# Altium PCB PCB1.PcbDoc (part 1 of 2) (continued)
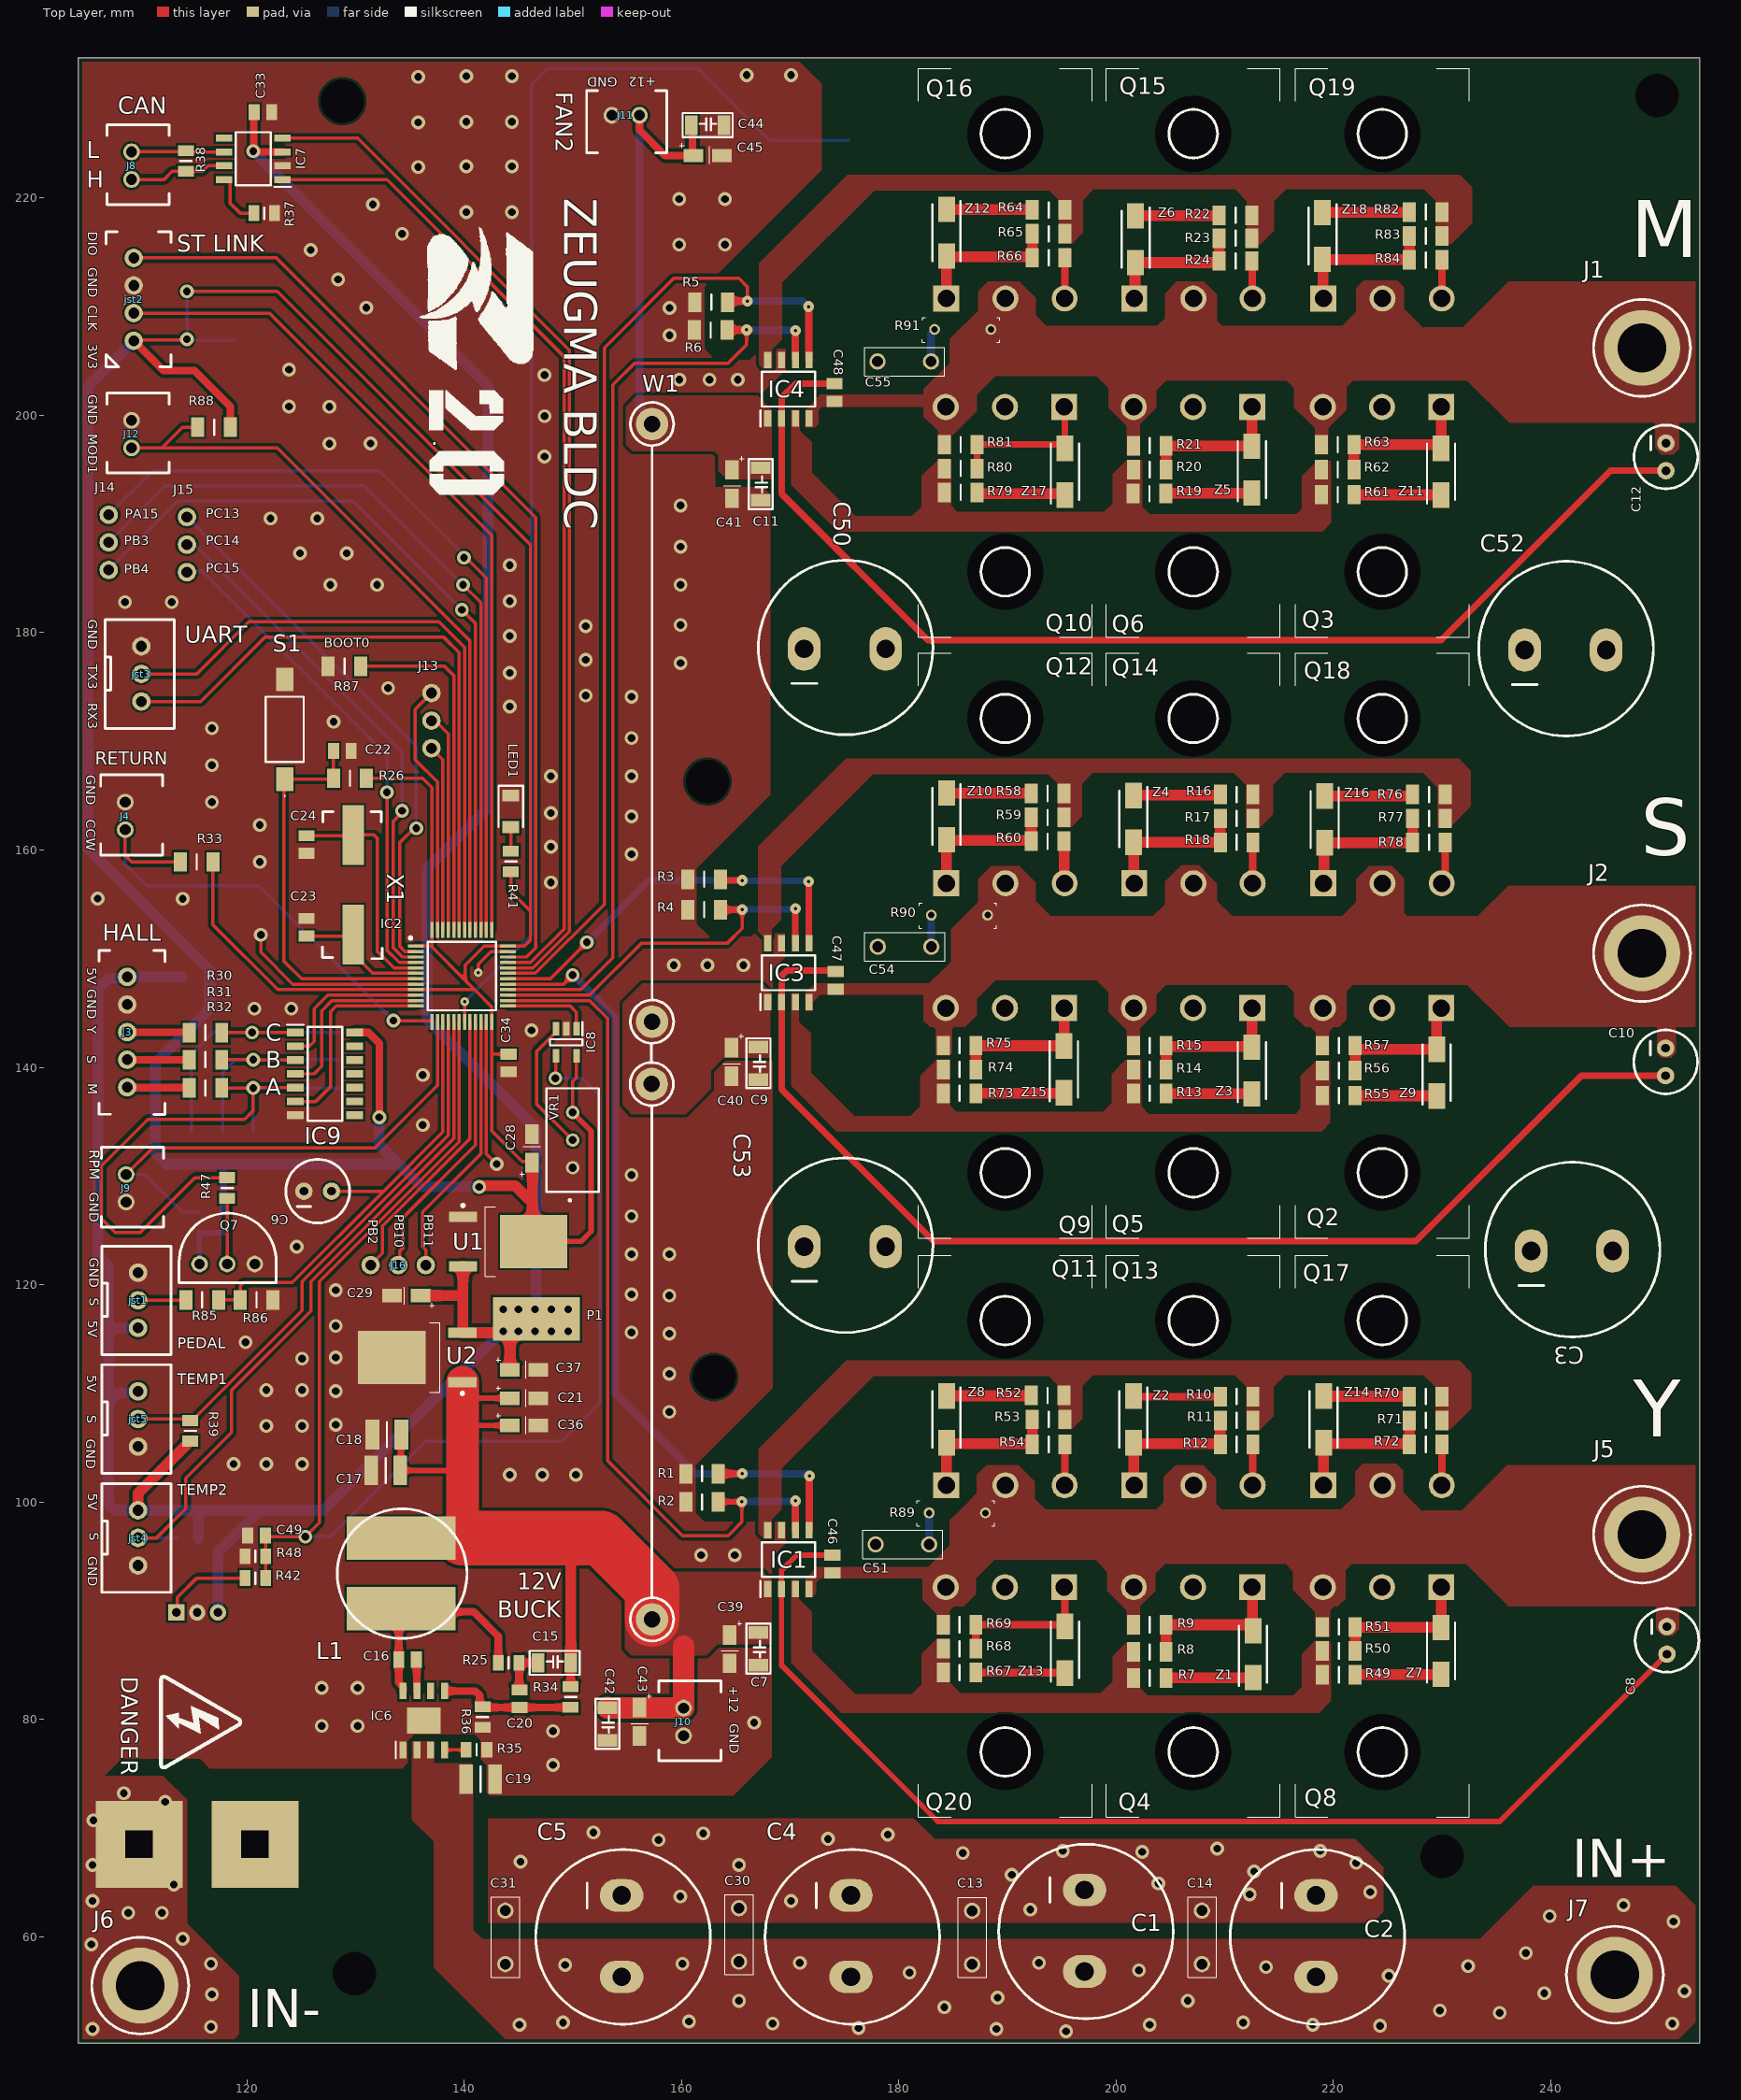
[diagram p0: Top Layer view]
## Components (designator, comment, footprint, x,y, rotation, side; value= is the part's Value field where it differs from the comment) (continued)
J11 "2 pin grove connector" "2 pin grove connector" 163.852,229.857 r180 top
J12 "2 pin grove connector" "2 pin grove connector" 107.143,207.252 r270 top
J13 "1x3 header" "1x3 header" 137,174.44 r270 top
J14 "1x3 header" "1x3 header" 107.3,185.76 r90 top
J15 "1x3 header" "1x3 header" 114.5,185.56 r90 top
J16 "1x3 header" "1x3 header" 131.4,121.8 r0 top
jst1 "3 pin jst connector" "3 pin jst connector" 105.932,124.188 r270 top
jst2 "4x jst connector" "4x jst connector" 113.918,203.939 r90 top
jst3 "3 pin jst connector" "3 pin jst connector" 106.232,181.828 r270 top
jst4 "3 pin jst connector" "3 pin jst connector" 105.932,102.328 r270 top
jst5 "3 pin jst connector" "3 pin jst connector" 105.932,113.268 r270 top
L1 "srd1006 inductor" srd1006 140.169,99.344 r180 top
LED1 "150120BS75000" LEDC3214X78N 144.3,163.55 r270 top
P1 "TOP BOTTOM PAD" "TOP BOTTOM PAD" 152.62,120.145 r180 top
Q2 "IXTH130N10T" IXTH130N10T 232.499,118.3 r90 top
Q3 "IXTH130N10T" IXTH130N10T 232.499,173.6 r90 top
Q4 "IXTH130N10T" IXTH130N10T 215.099,65 r90 top
Q5 "IXTH130N10T" IXTH130N10T 215.099,118.3 r90 top
Q6 "IXTH130N10T" IXTH130N10T 215.099,173.6 r90 top
Q7 "2N2222A" 2N2222A 112.358,118.979 r0 top
Q8 "IXTH130N10T" IXTH130N10T 232.499,65 r90 top
Q9 "IXTH130N10T" IXTH130N10T 197.799,118.3 r90 top
Q10 "IXTH130N10T" IXTH130N10T 197.799,173.6 r90 top
Q11 "IXTH130N10T" IXTH130N10T 181.799,128.7 r270 top
Q12 "IXTH130N10T" IXTH130N10T 181.799,184.1 r270 top
Q13 "IXTH130N10T" IXTH130N10T 199.099,128.7 r270 top
Q14 "IXTH130N10T" IXTH130N10T 199.099,184.1 r270 top
Q15 "IXTH130N10T" IXTH130N10T 199.099,237.9 r270 top
Q16 "IXTH130N10T" IXTH130N10T 181.799,237.9 r270 top
Q17 "IXTH130N10T" IXTH130N10T 216.499,128.7 r270 top
Q18 "IXTH130N10T" IXTH130N10T 216.499,184.1 r270 top
Q19 "IXTH130N10T" IXTH130N10T 216.499,237.9 r270 top
Q20 "IXTH130N10T" IXTH130N10T 197.799,65 r90 top
R1 "CR1206-4.7k" RESC3216X75N 161.9,102.6 r180 top
R2 "CR1206-4.7k" RESC3216X75N 161.9,100 r180 top
R3 "CR1206-4.7k" RESC3216X75N 162.1,157.3 r180 top
R4 "CR1206-4.7k" RESC3216X75N 162.1,154.5 r180 top
R5 "CR1206-4.7k" RESC3216X75N 162.753,210.403 r180 top
R6 "CR1206-4.7k" RESC3216X75N 162.7,207.85 r180 top
R7 "CR1206-4.7k" RESC3216X75N 203.1,83.8 r0 top
R8 "CR1206-4.7k" RESC3216X75N 203.1,86.2 r0 top
R9 "CR1206-10k" RESC3216X75N 203.1,88.7 r0 top
R10 "CR1206-4.7k" RESC3216X75N 211.1,109.7 r180 top
R11 "CR1206-4.7k" RESC3216X75N 211.1,107.5 r180 top
R12 "CR1206-10k" RESC3216X75N 211.1,105.3 r180 top
R13 "CR1206-4.7k" RESC3216X75N 203.1,137.6 r0 top
R14 "CR1206-4.7k" RESC3216X75N 203.1,139.8 r0 top
R15 "CR1206-10k" RESC3216X75N 203.1,142 r0 top
R16 "CR1206-4.7k" RESC3216X75N 211.1,165.1 r180 top
R17 "CR1206-4.7k" RESC3216X75N 211.1,162.9 r180 top
R18 "CR1206-10k" RESC3216X75N 211.1,160.7 r180 top
R19 "CR1206-4.7k" RESC3216X75N 203.078,192.8 r0 top
R20 "CR1206-4.7k" RESC3216X75N 203.1,195 r0 top
R21 "CR1206-10k" RESC3216X75N 203.1,197.2 r0 top
R22 "CR1206-4.7k" RESC3216X75N 211,218.4 r180 top
R23 "CR1206-4.7k" RESC3216X75N 211,216.3 r180 top
R24 "CR1206-10k" RESC3216X75N 211,214.2 r180 top
R25 "453k 0805" RESC2012X65N 144.1,85.2 r180 top
R26 "CR1206-3.3k" RESC3216X75N 129.5,166.6 r180 top
R27 "CR1206-4.7k" RESC3216X75N 114.9,132.6 r90 bottom
R28 "CR1206-4.7k" RESC3216X75N 117.8,132.6 r90 bottom
R29 "CR1206-4.7k" RESC3216X75N 120.6,132.6 r90 bottom
R30 "CR1206-4.7k" RESC3216X75N 116.2,143.2 r0 top
R31 "CR1206-4.7k" RESC3216X75N 116.2,140.7 r0 top
R32 "CR1206-4.7k" RESC3216X75N 116.2,138.1 r0 top
R33 "CR1206-4.7k" RESC3216X75N 115.4,158.9 r180 top
R34 "453k 0805" RESC2012X65N 149.8,82.05 r270 top
R35 "100k 0805" RESC2012X65N 141.15,77.2 r0 top
R36 "49.9k ohm 0805" RESC2012X65N 141.7,80.2 r270 top
R37 "CPF0805B100RE1_1" RESC2012X65N 121.6,218.6 r180 top
R38 "CPF0805B100RE1_1" RESC2012X65N 114.4,223.4 r90 top
R39 "CPF0805B100RE1_1" RESC2012X65N 114.8,106.55 r270 top
R40 "CPF0805B100RE1_1" RESC2012X65N 114.6,96.7 r0 bottom
R41 "CPF0805B100RE1" RESC2012X65N 144.3,158.95 r270 top
R42 "0805 res" RESC2012X65N 120.8,93 r0 top
R43 "CR1206-220k" RESC3216X75N 176.9,225.3 r0 bottom
R44 "CR1206-4.7k" RESC3216X75N 172.3,226.8 r270 bottom
R45 "CPF0805 20k ohm" RESC2012X65N 117.9,125.7 r90 bottom
R46 "CPF0805 150 ohm" RESC2012X65N 115.6,125.75 r90 bottom
R47 "CPF0805 49.9k ohm" RESC2012X65N 118.2,128.9 r90 top
R48 "0805 res" RESC2012X65N 120.8,95 r0 top
R49 "CR1206-4.7k" RESC3216X75N 220.5,84.1 r0 top
R50 "CR1206-4.7k" RESC3216X75N 220.5,86.3 r0 top
R51 "CR1206-10k" RESC3216X75N 220.5,88.5 r0 top
R52 "CR1206-4.7k" RESC3216X75N 193.7,109.8 r180 top
R53 "CR1206-4.7k" RESC3216X75N 193.8,107.6 r180 top
R54 "CR1206-10k" RESC3216X75N 193.8,105.3 r180 top
R55 "CR1206-4.7k" RESC3216X75N 220.5,137.4 r0 top
R56 "CR1206-4.7k" RESC3216X75N 220.5,139.7 r0 top
R57 "CR1206-10k" RESC3216X75N 220.5,142 r0 top
R58 "CR1206-4.7k" RESC3216X75N 193.7,165.2 r180 top
R59 "CR1206-4.7k" RESC3216X75N 193.7,163 r180 top
R60 "CR1206-10k" RESC3216X75N 193.7,160.8 r180 top
R61 "CR1206-4.7k" RESC3216X75N 220.4,192.7 r0 top
R62 "CR1206-4.7k" RESC3216X75N 220.4,195 r0 top
R63 "CR1206-10k" RESC3216X75N 220.4,197.3 r0 top
R64 "CR1206-4.7k" RESC3216X75N 193.8,218.9 r180 top
R65 "CR1206-4.7k" RESC3216X75N 193.8,216.7 r180 top
R66 "CR1206-10k" RESC3216X75N 193.8,214.5 r180 top
R67 "CR1206-4.7k" RESC3216X75N 185.6,84.3 r0 top
R68 "CR1206-4.7k" RESC3216X75N 185.6,86.5 r0 top
R69 "CR1206-10k" RESC3216X75N 185.6,88.7 r0 top
R70 "CR1206-4.7k" RESC3216X75N 228.5,109.7 r180 top
R71 "CR1206-4.7k" RESC3216X75N 228.5,107.5 r180 top
R72 "CR1206-10k" RESC3216X75N 228.5,105.3 r180 top
R73 "CR1206-4.7k" RESC3216X75N 185.6,137.6 r0 top
R74 "CR1206-4.7k" RESC3216X75N 185.6,139.8 r0 top
R75 "CR1206-10k" RESC3216X75N 185.6,142 r0 top
R76 "CR1206-4.7k" RESC3216X75N 228.8,165.1 r180 top
R77 "CR1206-4.7k" RESC3216X75N 228.8,162.9 r180 top
R78 "CR1206-10k" RESC3216X75N 228.8,160.7 r180 top
R79 "CR1206-4.7k" RESC3216X75N 185.7,192.9 r0 top
R80 "CR1206-4.7k" RESC3216X75N 185.7,195.1 r0 top
R81 "CR1206-10k" RESC3216X75N 185.7,197.3 r0 top
R82 "CR1206-4.7k" RESC3216X75N 228.5,218.7 r180 top
R83 "CR1206-4.7k" RESC3216X75N 228.5,216.5 r180 top
R84 "CR1206-10k" RESC3216X75N 228.5,214.3 r180 top
R85 "CR1206-4.7k" RESC3216X75N 115.9,118.6 r0 top
R86 "CR1206-4.7k" RESC3216X75N 120.9,118.6 r180 top
R87 "CR1206-3.3k" RESC3216X75N 129,176.9 r180 top
R88 "CR1206-4.7k" RESC3216X75N 117,198.9 r180 top
R89 "GENEL RES DİK" "DİK GENEL RES THT" 188.831,100.951 r180 top
R90 "GENEL RES DİK" "DİK GENEL RES THT" 189.031,155.951 r180 top
R91 "GENEL RES DİK" "DİK GENEL RES THT" 189.331,209.851 r180 top
S1 "1437566-4" 14375664 123.5,171.1 r90 top
U1 "LD108633 3.3V DPAK" DPAK228P972X240-3N 144.05,123.98 r0 top
U2 "L7805-DPAK_1" DPAK228P972X240-3N 135.7,113.3 r180 top
VR1 "3296W-1-252LF" 3296W-1 150,133.3 r90 top
W1 "kablo bara" "KABLO BARA" 160.602,84.755 r90 top
X1 "8M Hz kristal" "8M Hz kristal" 124.875,146.5 r270 top
Z1 "3SMAJ5927B-TP - ms110" DIOM5226X244N 212.6,86 r90 top
Z2 "3SMAJ5927B-TP - ms110" DIOM5226X244N 201.6,107.6 r270 top
Z3 "3SMAJ5927B-TP - ms110" DIOM5226X244N 212.5,139.7 r90 top
Z4 "3SMAJ5927B-TP - ms110" DIOM5226X244N 201.6,162.85 r270 top
Z5 "3SMAJ5927B-TP - ms110" DIOM5226X244N 212.5,195 r90 top
Z6 "3SMAJ5927B-TP - ms110" DIOM5226X244N 201.8,216.2 r270 top
Z7 "3SMAJ5927B-TP - ms110" DIOM5226X244N 229.9,86.3 r90 top
Z8 "3SMAJ5927B-TP - ms110" DIOM5226X244N 184.4,107.6 r270 top
Z9 "3SMAJ5927B-TP - ms110" DIOM5226X244N 229.5,139.5 r90 top
Z10 "3SMAJ5927B-TP - ms110" DIOM5226X244N 184.4,163.1 r270 top
Z11 "3SMAJ5927B-TP - ms110" DIOM5226X244N 229.9,194.8 r90 top
Z12 "3SMAJ5927B-TP - ms110" DIOM5226X244N 184.4,216.8 r270 top
Z13 "3SMAJ5927B-TP - ms110" DIOM5226X244N 195.3,86.4 r90 top
Z14 "3SMAJ5927B-TP - ms110" DIOM5226X244N 219.1,107.6 r270 top
Z15 "3SMAJ5927B-TP - ms110" DIOM5226X244N 195.199,139.8 r90 top
Z16 "3SMAJ5927B-TP - ms110" DIOM5226X244N 219.2,162.8 r270 top
Z17 "3SMAJ5927B-TP - ms110" DIOM5226X244N 195.299,194.8 r90 top
Z18 "3SMAJ5927B-TP - ms110" DIOM5226X244N 219,216.5 r270 top

## Footprints (in the part's own frame and the unit in brackets; to place one, negate y for a bottom-side part, rotate by r counter-clockwise, add the part's x,y. Pads: shape width x height; smd on the part's side, far side on the other; paste and mask are expansions set on the pad)
"1x3 header" [mm]
  round 1.7 hole 1 mask+0.05: 1(0,0) 2(2.54,0) 3(5.08,0)
  body extent -1.27,-1.27 6.35,1.27, height 9.54
"2 pin grove connector" [mm]
  round 1.54 hole 1: 1(7.712,2.257) 2(10.252,2.257)
  silkscreen extent 5.21,0 12.57,5.72, body extent 5.21,0 12.64,5.73, height 6.85
2N2222A [mil]
  round 60.08 hole 38.62: 1(130,115) 2(230,115) 3(330,115)
  silkscreen extent 56,47 408,299, body extent 121,67 339,185, height 298
"3 pin jst connector" [mm]
  round 1.7 hole 1: 1(3.088,4.068) 2(5.628,4.068) 3(8.168,4.068)
  silkscreen extent 0.63,0.74 10.63,7.11, body extent 0.63,0.74 10.64,7.14, height 7
"4x jst connector" [mm] "connector"
  round 1.7 hole 1: 1(2.921,4.318) 2(5.461,4.318) 3(8.001,4.318) 4(10.541,4.318)
  silkscreen extent 0.51,0.89 12.95,6.86, body extent 0.58,0.97 12.88,6.81, height 7.21
"5X HEADER" [mm]
  round 1.7 hole 1: 1(3.367,4.663) 2(5.907,4.663) 3(8.447,4.663) 4(10.987,4.663) 5(13.527,4.663)
  silkscreen extent 0.88,1.19 15.97,7.27, body extent 1,1.3 15.83,7.14, height 7.21
"8M Hz kristal" [mm]
  rect 5.5x2 smd: 1(-5.7,4.925) 2(-14.875,4.925)
  silkscreen extent -17.03,2.1 -3.5,7.6, body extent -16.67,2.39 -3.87,7.21, height 4.3
"50V 0.1uF elect cap" [mm]
  round 1.6 hole 0.8: 1(0.127,0.127) 2(2.667,0.127)
  silkscreen extent -1.54,-2.8 4.33,3.06, body extent -1.25,-2.38 3.75,2.62, height 7.51
"100uF POLYESTER CAPACITOR" [mm]
  round 1.5 hole 1: 1(-1.05,1.55) 2(3.875,1.55)
  silkscreen extent -2.25,0.23 5.13,2.85, body extent -2.18,0.3 5.02,2.8, height 6.51
"100v 470UF" [mm]
  oval 3x4 hole 1.7: 1(7.874,10.16) 2(15.374,10.16)
  silkscreen extent 3.53,2 19.59,18.07, body extent 3.56,2.04 19.56,18.03, height 26
3296W-1 [mm]
  round 1.24 hole 0.74: 1(-2.54,0) 2(0,0) 3(2.54,0)
  silkscreen extent -5.64,-2.41 4.76,2.41, body extent -4.78,-2.48 4.78,2.35, height 11.55
14375664 [mm]
  rect 2.18x1.6 smd: 1(-4.59,0) 2(4.59,0)
  silkscreen extent -6.2,-1.75 3,1.75, body extent -4.98,-1.75 4.98,1.75, height 4.41
ACS772ECB200BPFFT [mm]
  rect 1.5x1.5 hole 0.8: 1(0,0)
  round 1.5 hole 0.8: 2(1.91,0) 3(3.82,0)
  rect 8x8 hole 2.5 square: 4(7.239,21.336) 5(-3.429,21.336)
  silkscreen extent -5.39,3.1 9.11,21.9, body extent -5.06,-0.48 8.94,22.33, height 6.97
C1206 [mm]
  rect 1.15x1.8 smd mask+0.05: 1(-0.925,-0.5) 2(2.075,-0.5)
  silkscreen extent -1.73,-1.6 2.88,0.6, body extent -1.02,-1.3 2.18,0.3, height 1
C1206-TANT [mm]
  rect 1.8x1.23 smd mask+0.05: 1(-1.475,-0.05) 2(1.145,-0.05)
  silkscreen extent -2.74,-0.82 0,1.08, body extent -1.77,-0.93 1.43,0.67, height 1.62
CAPC2012X94N [mm]
  rect 1.02x1.47 smd: 1(-0.81,0) 2(0.81,0)
  body extent -1,-0.63 1,0.63, height 0.94
CAPC3225X270N [mm]
  rect 1.26x2.72 smd: 1(-1.33,0) 2(1.33,0)
  silkscreen extent 0,-1.15 0,1.15, body extent -1.6,-1.25 1.6,1.25, height 2.7
DIOM5226X244N [mm]
  rect 2.35x1.55 smd: 1(-2.15,0) 2(2.15,0)
  silkscreen extent -2.93,-1.29 2.6,1.29, body extent -2.7,-1.29 2.7,1.51, height 2.34
"DİK GENEL RES THT" [mm]
  round 1 hole 0.6: 1(0.853,1.951) 2(6.031,1.951)
  silkscreen extent 0.02,0.85 7.15,3.15, body extent 0.74,0.85 7.15,3.15, height 8.18
DPAK228P972X240-3N [mm] "D-PAK, 3-Pads, Body 6,20x6,56mm (max), IPC Medium Density"
  rect 2.6x0.95 smd: 1(-4.15,2.28) 2(-4.15,-2.28)
  rect 6.2x4.9 smd mask+0.05: 3(2.35,0)
  silkscreen extent -4.27,-3.2 -1.15,3.43, body extent -4.29,-3.13 5.44,3.37, height 3.2
IXTH130N10T [mm] "90 DEGREE"
  rect 2.39x2.39 hole 1.59: 1(27.161,2.571)
  round 2.39 hole 1.59: 2(27.161,8.021) 3(27.161,13.471)
  silkscreen extent 6,0 14.23,16, body extent 6.14,0.08 27,15.91, height 7.25
"KABLO BARA" [mm]
  round 3 hole 1.5: 1(4.445,3.302) 2(53.703,3.334) 3(59.445,3.302) 4(114.445,3.302)
  silkscreen extent 2.46,1.31 116.43,5.32
LEDC3214X78N [mm]
  rect 1.1x1.55 smd: 1(-1.45,0) 2(1.45,0)
  silkscreen extent -2.35,-1.12 1.45,1.12, body extent -1.6,-0.8 1.6,0.8, height 0.68
"power hole metric5" [mm]
  round 7 hole 4.5: 1(-22,0)
  silkscreen extent -26.45,-4.45 -17.55,4.45
QFP50P900X900X160-48N [mm]
  rect 1.475x0.3 smd: 1(-4.238,2.75) 2(-4.238,2.25) 3(-4.238,1.75) 4(-4.238,1.25) 5(-4.238,0.75) 6(-4.238,0.25) 7(-4.238,-0.25) 8(-4.238,-0.75) 9(-4.238,-1.25) 10(-4.238,-1.75) 11(-4.238,-2.25) 12(-4.238,-2.75) 25(4.238,-2.75) 26(4.238,-2.25) 27(4.238,-1.75) 28(4.238,-1.25) 29(4.238,-0.75) 30(4.238,-0.25) 31(4.238,0.25) 32(4.238,0.75) 33(4.238,1.25) 34(4.238,1.75) 35(4.238,2.25) 36(4.238,2.75)
  rect 0.3x1.475 smd: 13(-2.75,-4.238) 14(-2.25,-4.238) 15(-1.75,-4.238) 16(-1.25,-4.238) 17(-0.75,-4.238) 18(-0.25,-4.238) 19(0.25,-4.238) 20(0.75,-4.238) 21(1.25,-4.238) 22(1.75,-4.238) 23(2.25,-4.238) 24(2.75,-4.238) 37(2.75,4.238) 38(2.25,4.238) 39(1.75,4.238) 40(1.25,4.238) 41(0.75,4.238) 42(0.25,4.238) 43(-0.25,4.238) 44(-0.75,4.238) 45(-1.25,4.238) 46(-1.75,4.238) 47(-2.25,4.238) 48(-2.75,4.238)
  silkscreen extent -4.85,-3.15 3.15,3.62, body extent -4.5,-4.5 4.5,4.5, height 1.6
RESC2012X65N [mm]
  rect 1x1.45 smd: 1(-0.95,0) 2(0.95,0)
  silkscreen extent 0,-0.53 0,0.53, body extent -1,-0.63 1,0.63, height 0.65
RESC3216X75N [mm]
  rect 1.2x1.8 smd: 1(-1.5,0) 2(1.5,0)
  silkscreen extent 0,-0.7 0,0.7, body extent -1.6,-0.8 1.6,0.8, height 0.75
SOIC127P600X170-9N [mm]
  rect 1.525x0.65 smd: 1(-2.712,1.905) 2(-2.712,0.635) 3(-2.712,-0.635) 4(-2.712,-1.905) 5(2.712,-1.905) 6(2.712,-0.635) 7(2.712,0.635) 8(2.712,1.905)
  rect 2.4x3.1 smd: 9(0,0)
  silkscreen extent -3.47,2.58 -1.95,2.58, body extent -3,-2.45 3,2.45, height 1.57
SOIC127P600X175-8N [mm]
  rect 1.5x0.65 smd: 1(-2.7,1.905) 2(-2.7,0.635) 3(-2.7,-0.635) 4(-2.7,-1.905) 5(2.7,-1.905) 6(2.7,-0.635) 7(2.7,0.635) 8(2.7,1.905)
  silkscreen extent -3.45,-2.45 1.6,2.58, body extent -3,-2.45 3,2.45, height 1.75
SOIC127P600X175-14N [mm]
  rect 1.55x0.7 smd: 1(-2.725,3.81) 2(-2.725,2.54) 3(-2.725,1.27) 4(-2.725,0) 5(-2.725,-1.27) 6(-2.725,-2.54) 7(-2.725,-3.81) 8(2.725,-3.81) 9(2.725,-2.54) 10(2.725,-1.27) 11(2.725,0) 12(2.725,1.27) 13(2.725,2.54) 14(2.725,3.81)
  silkscreen extent -3.5,-4.33 1.6,4.51, body extent -3,-4.31 3,4.34, height 1.56
SOT95P275X110-5N [mm]
  rect 1.25x0.6 smd: 1(-1.25,0.95) 2(-1.25,0) 3(-1.25,-0.95) 4(1.25,-0.95) 5(1.25,0.95)
  silkscreen extent -1.88,-1.5 0.28,1.5, body extent -1.38,-1.5 1.38,1.5, height 1.1
srd1006 [mm] "inductor"
  rect 10x4 smd: 1(5.969,9.144) 2(5.969,2.667)
  silkscreen extent -0.1,-0.04 11.84,11.91, body extent 1.07,1.2 10.87,11, height 5.81
"TOP BOTTOM PAD" [mm]
  rect 0.5x0.5 hole 0.7: 1(3.048,4.445) 1(3.048,2.413) 1(4.572,4.445) 1(4.572,2.413) 1(6.096,4.445) 1(6.096,2.413) 1(7.62,2.413) 1(7.62,4.445) 1(9.017,2.413) 1(9.017,4.445)
  rect 8x4 all layers, no hole: 1(5.969,3.302)

## Part data
C1 C2 C3 C4 C5 C50 C52 C53: "bulk"
C6: library part "50v 0.1uF elect cap"
C15: library part "0.1 uF C1206", "0.1 uF C1206"
C16 C20 C46 C47 C48 C49: library part 08055A150JAT2A, "Capacitor", Manufacturer_Name=AVX, Mouser Part Number=581-08055A150J, Arrow Part Number=08055A150JAT2A, Arrow Price/Stock=https://www.arrow.com/en/products/08055a150jat2a/avx?region=nac, Datasheet Link=https://componentsearchengine.com/Datasheets/1/06031A100FAT2A.pdf, Height=0.94mm, Manufacturer_Part_Number=08055A150JAT2A, Mouser Price/Stock=https://www.mouser.co.uk/ProductDetail/AVX/08055A150JAT2A?qs=pZVDklL%2Fs8hiEua37sqbaA%3D%3D
C17 C18 C19: library part GRM32EC81C476KE15K, "Capacitor", Manufacturer_Name="Murata Electronics", Mouser Part Number=81-GRM32EC81C476KE5K, Arrow Part Number=GRM32EC81C476KE15K, Arrow Price/Stock=https://www.arrow.com/en/products/grm32ec81c476ke15k/murata-manufacturing?region=nac, Datasheet Link=http://psearch.en.murata.com/capacitor/product/GRM32ER71E226KE15%23.pdf, Height=2.7mm, Manufacturer_Part_Number=GRM32EC81C476KE15K, Mouser Price/Stock=https://www.mouser.co.uk/ProductDetail/Murata-Electronics/GRM32EC81C476KE15K?qs=pba5EUA0Y0ZfNhWUOosFbg%3D%3D
C22 C23 C24 C33 C34 C35 C38: "Capacitor", Manufacturer_Name=AVX, Mouser Part Number=581-08055A150J, Arrow Part Number=08055A150JAT2A, Arrow Price/Stock=https://www.arrow.com/en/products/08055a150jat2a/avx?region=nac, Datasheet Link=https://componentsearchengine.com/Datasheets/1/06031A100FAT2A.pdf, Height=0.94mm, Manufacturer_Part_Number=08055A150JAT2A, Mouser Price/Stock=https://www.mouser.co.uk/ProductDetail/AVX/08055A150JAT2A?qs=pZVDklL%2Fs8hiEua37sqbaA%3D%3D
C51 C54 C55: library part "100nF POLYESTER CAPACITOR"
IC1 IC3 IC4: "Integrated Circuit", Manufacturer_Name="Texas Instruments", Mouser Part Number=595-UCC27201ADR, Arrow Part Number=UCC27201ADR, Arrow Price/Stock=https://www.arrow.com/en/products/ucc27201adr/texas-instruments, Datasheet Link=http://www.ti.com/lit/gpn/ucc27201a, Height=1.75mm, Manufacturer_Part_Number=UCC27201ADR, Mouser Price/Stock=https://www.mouser.co.uk/ProductDetail/Texas-Instruments/UCC27201ADR?qs=UlfnwZ2x8nSx8LpZAgWREw%3D%3D
IC2: "Integrated Circuit", Manufacturer_Name=STMicroelectronics, Mouser Part Number=511-STM32F103C8T6TR, Arrow Part Number=STM32F103C8T6TR, Arrow Price/Stock=https://www.arrow.com/en/products/stm32f103c8t6tr/stmicroelectronics?region=nac, Datasheet Link=http://media.digikey.com/pdf/Data%20Sheets/ST%20Microelectronics%20PDFS/STM32F103x8,B.pdf, Height=1.6mm, Manufacturer_Part_Number=STM32F103C8T6TR, Mouser Price/Stock=https://www.mouser.co.uk/ProductDetail/STMicroelectronics/STM32F103C8T6TR?qs=5HwTSiuA5HDxFj62n06yag%3D%3D
IC5: "Integrated Circuit", Manufacturer_Name="Allegro Microsystems", Mouser Part Number=250-758LCB100BPFFT, Arrow Part Number=ACS758LCB-100B-PFF-T, Arrow Price/Stock=https://www.arrow.com/en/products/acs758lcb-100b-pff-t/allegro-microsystems?region=nac, Datasheet Link=https://www.allegromicro.com/-/media/files/datasheets/acs758-datasheet.ashx, Height=7.1mm, Manufacturer_Part_Number=ACS758LCB-100B-PFF-T, Mouser Price/Stock=https://www.mouser.co.uk/ProductDetail/Allegro-MicroSystems/ACS758LCB-100B-PFF-T?qs=pUKx8fyJudA0WtlqV%2Fcrcw%3D%3D
IC6: "Integrated Circuit", Manufacturer_Name="Texas Instruments", Mouser Part Number=595-LM5164DDAT, Arrow Part Number=LM5164DDAT, Arrow Price/Stock=https://www.arrow.com/en/products/lm5164ddat/texas-instruments?region=nac, Datasheet Link=https://www.mouser.be/ProductDetail/Texas-Instruments/LM5164DDAT?qs=%2Fha2pyFadujHbTcENLOIajUKDDTgjr9g9rZTNZ%252BjNiUdOtruDh%252BCOQ%3D%3D, Height=1.7mm, Manufacturer_Part_Number=LM5164DDAT, Mouser Price/Stock=https://www.mouser.co.uk/ProductDetail/Texas-Instruments/LM5164DDAT?qs=PqoDHHvF648Lb%252BUmbhADOg%3D%3D
IC7: "Integrated Circuit", Arrow Part Number=MCP2551-E/SN, Manufacturer_Name=Microchip, Mouser Part Number=579-MCP2551-E/SN, Arrow Price/Stock=https://www.arrow.com/en/products/mcp2551-esn/microchip-technology, Datasheet Link=https://datasheet.datasheetarchive.com/originals/distributors/SFDatasheet-4/sf-00090061.pdf, Height=1.75mm, Manufacturer_Part_Number=MCP2551-E/SN, Mouser Price/Stock=https://www.mouser.co.uk/ProductDetail/Microchip-Technology-Atmel/MCP2551-E-SN?qs=Vn0zuzr35GHkGDCgnw0F9A%3D%3D
IC8: "Integrated Circuit", Arrow Part Number=NCS325SN2T1G, Manufacturer_Name=onsemi, Mouser Part Number=863-NCS325SN2T1G, Arrow Price/Stock=https://www.arrow.com/en/products/ncs325sn2t1g/on-semiconductor, Datasheet Link=https://componentsearchengine.com/Datasheets/1/NCS325SN2T1G.pdf, Height=1.1mm, Manufacturer_Part_Number=NCS325SN2T1G, Mouser Price/Stock=https://www.mouser.co.uk/ProductDetail/onsemi/NCS325SN2T1G?qs=dbuNSGnowt2g9SoYxOxXaw%3D%3D
IC9: "Integrated Circuit", Manufacturer_Name=Nexperia, Mouser Part Number=771-74HC14DB, Arrow Part Number=74HC14DB,112, Arrow Price/Stock=https://www.arrow.com/en/products/74hc14db112/nexperia?region=nac, Datasheet Link=https://assets.nexperia.com/documents/data-sheet/74HC_HCT14.pdf, Height=1.75mm, Manufacturer_Part_Number=74HC14DB,112, Mouser Price/Stock=https://www.mouser.co.uk/ProductDetail/Nexperia/74HC14DB112/?qs=P62ublwmbi8gAnZkoIWhjA%3D%3D
J3: library part "5X HEADER"
L1: "inductor"
LED1: "LED", Manufacturer_Name="Wurth Elektronik", Mouser Part Number=710-150120BS75000, Datasheet Link=https://katalog.we-online.de/led/datasheet/150120BS75000.pdf, Height=0.78mm, Manufacturer_Part_Number=150120BS75000, Mouser Price/Stock=https://www.mouser.co.uk/ProductDetail/Wurth-Elektronik/150120BS75000?qs=LlUlMxKIyB1WGHUNBglvng%3D%3D
P1: "PAD"
Q2 Q3 Q4 Q5 Q6 Q8 Q9 Q10 Q11 Q12 Q13 Q14 Q15 Q16 Q17 Q18 Q19 Q20: "n-channel mosfet"
Q7: "Transistor BJT NPN", Manufacturer_Name="Foshan Blue Rocket Elec", Datasheet Link=https://datasheet.lcsc.com/szlcsc/1901291437_Foshan-Blue-Rocket-Elec-2N2222A_C358533.pdf, Height=4.7mm, Manufacturer_Part_Number=2N2222A
R1 R2 R3 R4 R5 R6 R7 R8 R9 R10 R11 R12 R13 R14 R15 R16 R17 R18 R19 R20 R21 R22 R23 R24 R26 R27 R28 R29 R30 R31 R32 R33 R49 R50 R51 R52 R53 R54 R55 R56 R57 R58 R59 R60 R61 R62 R63 R64 R65 R66 R67 R68 R69 R70 R71 R72 R73 R74 R75 R76 R77 R78 R79 R80 R81 R82 R83 R84 R85 R86 R87 R88: library part CR1206-F_-2R70ELF, "Resistor", Manufacturer_Name=Bourns, Manufacturer_Part_Number=CR1206-F/-2R70ELF, Mouser Part Number=652-CR1206-F/2R70ELF, Datasheet Link=https://mail.qq.com/cgi-bin/loginpage?autologin=n&errtype=1&clientuin=895793657&param=&sp=&tfcont=22%20serialization%3A%3Aarchive%2010%200%200%204%200%200%200%208%20authtype%201%204%209%20clientuin%209%20895793657%206%20domain%206%20qq.com%202%20vm%203%20, Height=0.75mm, Mouser Price/Stock=https://www.mouser.co.uk/ProductDetail/Bourns/CR1206-F-2R70ELF?qs=W%2FMpXkg%252BdQ43a7iNS79Iog%3D%3D
R25 R34 R35 R36 R42 R45 R46 R47 R48: library part CPF0805B100RE1, "Resistor", Manufacturer_Name="TE Connectivity", Mouser Part Number=279-CPF0805B100RE1, Arrow Part Number=CPF0805B100RE1, Arrow Price/Stock=https://www.arrow.com/en/products/cpf0805b100re1/te-connectivity?region=nac, Datasheet Link=http://docs-europe.electrocomponents.com/webdocs/13d1/0900766b813d116f.pdf, Height=0.65mm, Manufacturer_Part_Number=CPF0805B100RE1, Mouser Price/Stock=https://www.mouser.co.uk/ProductDetail/TE-Connectivity-Holsworthy/CPF0805B100RE1?qs=9ylKvqdyudkCWLPT1QvLZQ%3D%3D
R37 R38 R39 R40: "Resistor", Arrow Part Number=CPF0805B100RE1, Manufacturer_Name="TE Connectivity", Mouser Part Number=279-CPF0805B100RE1, Arrow Price/Stock=https://www.arrow.com/en/products/cpf0805b100re1/te-connectivity?region=nac, Datasheet Link=https://datasheet.datasheetarchive.com/originals/distributors/DKDS-21/401696.pdf, Height=0.65mm, Manufacturer_Part_Number=CPF0805B100RE1, Mouser Price/Stock=https://www.mouser.co.uk/ProductDetail/TE-Connectivity-Holsworthy/CPF0805B100RE1?qs=9ylKvqdyudkCWLPT1QvLZQ%3D%3D
R41: "Resistor", Manufacturer_Name="TE Connectivity", Mouser Part Number=279-CPF0805B100RE1, Arrow Part Number=CPF0805B100RE1, Arrow Price/Stock=https://www.arrow.com/en/products/cpf0805b100re1/te-connectivity?region=nac, Datasheet Link=http://docs-europe.electrocomponents.com/webdocs/13d1/0900766b813d116f.pdf, Height=0.65mm, Manufacturer_Part_Number=CPF0805B100RE1, Mouser Price/Stock=https://www.mouser.co.uk/ProductDetail/TE-Connectivity-Holsworthy/CPF0805B100RE1?qs=9ylKvqdyudkCWLPT1QvLZQ%3D%3D
R43 R44: library part CR1206-F_-2R70ELF_1, "Resistor", Manufacturer_Name=Bourns, Manufacturer_Part_Number=CR1206-F/-2R70ELF, Mouser Part Number=652-CR1206-F/2R70ELF, Datasheet Link=https://mail.qq.com/cgi-bin/loginpage?autologin=n&errtype=1&clientuin=895793657&param=&sp=&tfcont=22%20serialization%3A%3Aarchive%2010%200%200%204%200%200%200%208%20authtype%201%204%209%20clientuin%209%20895793657%206%20domain%206%20qq.com%202%20vm%203%20, Height=0.75mm, Mouser Price/Stock=https://www.mouser.co.uk/ProductDetail/Bourns/CR1206-F-2R70ELF?qs=W%2FMpXkg%252BdQ43a7iNS79Iog%3D%3D
S1: "Switch", Manufacturer_Name="TE Connectivity", Mouser Part Number=N/A, Arrow Part Number=1437566-4, Arrow Price/Stock=https://www.arrow.com/en/products/1437566-4/te-connectivity?region=europe, Datasheet Link=https://www.te.com/commerce/DocumentDelivery/DDEController?Action=showdoc&DocId=Customer+Drawing%7F1437566-3%7FC2%7Fpdf%7FEnglish%7FENG_CD_1437566-3_C7F14375662_1437566_3_1_c.dwg.pdf%-4, Height=4.87mm, Manufacturer_Part_Number=1437566-4, Mouser Price/Stock=https://www.mouser.co.uk/ProductDetail/TE-Connectivity-Alcoswitch/1437566-4?qs=xoXDFGdkQ2nbcMrTmW1sHA%3D%3D
U1: "LD108633 3.3V REGULATOR"
U2: "L7805 5V REGULATOR. SMD PAKET"
VR1: "Variable Resistor", Manufacturer_Name=Bourns, Mouser Part Number=652-3296W-1-252LF, Arrow Part Number=3296W-1-252LF, Arrow Price/Stock=https://www.arrow.com/en/products/3296w-1-252lf/bourns?region=nac, Datasheet Link=https://www.bourns.com/pdfs/3296.pdf, Manufacturer_Part_Number=3296W-1-252LF, Mouser Price/Stock=https://www.mouser.co.uk/ProductDetail/Bourns/3296W-1-252LF?qs=VW5eOWd7Luy89Xw%2FKwu%2Fxg%3D%3D
W1: "KABLO BARA"
Z1 Z2 Z3 Z4 Z5 Z6 Z7 Z8 Z9 Z10 Z11 Z12 Z13 Z14 Z15 Z16 Z17 Z18: library part 3SMAJ5927B-TP, "Zener Diode", Manufacturer_Name=MCC, Mouser Part Number=833-3SMAJ5927B-TP, Datasheet Link=https://www.mccsemi.com/pdf/Products/3SMAJ5918B-3SMAJ5956B(SMA).pdf, Height=2.44mm, Manufacturer_Part_Number=3SMAJ5927B-TP, Mouser Price/Stock=https://www.mouser.co.uk/ProductDetail/Micro-Commercial-Components-MCC/3SMAJ5927B-TP?qs=ZNK0BnemlqF3Ltqs8dFZzA%3D%3D

## Free pads (board coordinates)
  rect 1x1 hole 7: 3(189.8,77) 4(207.1,77) 5(224.5,77) 6(189.8,116.7) 7(207.1,116.7) 8(224.5,116.7) 9(189.8,130.3) 10(207.1,130.3) 11(224.5,130.3) 12(189.8,172.1) 13(207.1,172.1) 14(224.5,172.1) 15(224.5,185.6) 16(207.1,185.6) 17(189.8,185.6) 18(189.8,225.9) 19(207.1,225.9) 20(224.5,225.9)
  rect 1x1 hole 4: 20(128.8,228.9) 20(129.9,56.6) 20(162.4,166.3) 20(163,111.5) 20(230,67.4) 20(249.8,229.4)

## Via types
v1: diameter 1.27, hole 0.711, Top Layer to Bottom Layer, 208 vias
v2: diameter 1, hole 0.3, Top Layer to Bottom Layer, 12 vias
v3: diameter 0.8, hole 0.3, Top Layer to Bottom Layer, 2 vias

## Nets (pads, with @x,y where several pads share a name; then routed paths per layer and width w, separated by ;. In a path a pad name is that pad's centre, name@x,y a point inside that pad or via, vN(x,y) a via of type N, cw(c..) or ccw(c..) an arc to the next point about the centre after c; other vN are vias at no path point)
3V3: C28.1 C34.2 C35.2 IC2.1 IC2.9 IC2.24 IC2.36 IC2.48 IC8.5 IC9.14 jst2.1 R26.1 R27.1 R28.1 R29.1 R33.1 R41.2 R45.2 R88.1 U1.3 VR1.3 | length 371.4
  Top Layer w0.3: jst2.1@109.6,206.86 109.67,206.93 114.43,206.93 v1(114.5,207) ; v1(114.5,211.4) 122.8,211.4 143.5,190.7 146.1,188.1 146.1,154.4 ; R33.1@116.9,158.9 116.9,153.1 122.85,147.15 IC2.9@135.562,147.15 140.95,147.15 ; R26.1@131,166.6 136.2,166.6 137.05,165.75 IC2.48@137.05,152.638 137.05,151.25 136.95,151.15 ; IC2.1@135.562,151.15 136.95,151.15 ; C34.2@144.1,141.21 142.55,141.21 ; R41.2@144.3,158 144.3,156.2 146.1,154.4 ; C28.1@146.25,131.225 146.136,131.339 145.361,131.339 142.55,134.15 142.55,141.21 ; VR1.3@150,135.84 150,138.7 150.35,139.05 IC8.5@150.35,141.05 ; 136.95,151.15 140.1,148 ; 140.1,148 140.95,147.15 ; 140.1,148 140.1,149.4 141.85,151.15 IC2.36@144.038,151.15 145.55,151.15 146.1,151.7 146.1,154.4 ; 140.95,147.15 142.55,145.55 IC2.24@142.55,144.162 142.55,141.21
  Top Layer w0.5: U1.3@146.4,123.98 150.78,123.98 151.7,124.9 151.7,134.14 VR1.3@150,135.84
  Top Layer w0.7: jst2.1@109.6,206.86 112.36,204.1 115.2,204.1 118.5,200.8 R88.1@118.5,198.9 ; IC9.14@129.925,143.21 131.19,143.21 132.2,142.2 v1(132.2,135.4)
  Top Layer w1: v1(141.4,129) 141.5,129.1 144.7,129.1 146,127.8 146.3,127.8 ; C28.1@146.25,131.225 146.25,131.335 C28.1@146.365,131.45 ; C28.1@146.3,130.6 146.3,127.8 ; U1.3@146.4,123.98 146.3,124.08 146.3,127.8
  Bottom Layer w0.3: jst2.1@109.6,206.86 109.67,206.93 114.43,206.93 v1(114.5,207) ; v1(114.5,211.4) v1(114.5,207) ; C35.2@118.9,206.9 116.4,206.9 116.392,206.892 114.608,206.892 v1(114.5,207)
  Bottom Layer w0.7: R28.1@117.8,131.1 117.85,131.05 117.85,126.7 R45.2@117.9,126.65
  Bottom Layer w1: jst2.1@109.6,206.86 105.4,202.66 105.4,160.1 116.6,148.9 116.6,145.4 111.6,140.4 111.6,132.1 112.6,131.1 R27.1@114.9,131.1 R28.1@117.8,131.1 R29.1@120.6,131.1 134,131.1 ; v1(132.2,135.4) 132.2,132.9 134,131.1 ; v1(141.4,129) 136.1,129 134,131.1
5V: C29.1 C33.2 C37.1 C38.2 IC5.3 IC7.3 J3.5 jst1.3 jst4.1 jst5.1 P1.1 R39.2 R40.2 U1.2 U2.2 | length 284.4
  Top Layer w0.7: C33.2@120.64,227.86 120.64,224.34 v1(120.6,224.3) 120.665,224.235 IC7.3@123.3,224.235
  Top Layer w1: jst4.1@110,99.24 110,100.8 114.575,105.375 114.575,105.6 R39.2@114.8,105.6 ; C29.1@136,119 139.7,119 139.9,118.8 ; U2.2@139.85,115.58 U2.2@139.875,115.58 ; U1.2@139.9,121.7 139.9,118.8 ; C37.1@144.225,112.15 144.225,114.915 P1.1@144.89,115.58 ; P1.1@146.651,116.843 146.153,116.843 P1.1@144.89,115.58 ; U2.2@139.875,115.58 P1.1@144.89,115.58 ; U2.2@139.875,115.58 139.9,115.605 139.9,118.8
  Bottom Layer w1: jst5.1@110,110.18 109.866,110.046 108.146,110.046 107.3,109.2 ; jst1.3@110,116.02 109.966,115.986 107.886,115.986 107.3,115.4 ; C38.2@114.1,148.3 114.09,148.31 109.01,148.31 J3.5@109,148.32 108.866,148.186 107.286,148.186 106.3,147.2 106.3,122.7 107.3,121.7 107.3,115.4 ; R40.2@115.55,96.7 115.55,99.19 115.5,99.24 ; IC5.3@117.349,89.836 117.349,95.389 121.2,99.24 ; v1(120.6,224.3) 142.2,202.7 142.2,163.9 136.6,158.3 136.6,144.4 146.651,134.349 P1.1@146.651,117.732 ; P1.1@146.524,117.732 P1.1@146.651,117.732 ; P1.1@149.572,117.732 P1.1@148.048,117.732 P1.1@146.651,117.732 ; 107.3,109.2 107.3,115.4 ; 107.3,109.2 107.3,99.826 107.886,99.24 jst4.1@110,99.24 115.5,99.24 ; 115.5,99.24 121.2,99.24 ; 121.2,99.24 127.048,99.24 144.651,116.843 P1.1@146.651,116.843 P1.1@146.651,117.732
+12: C7.2 C15.1 C17.1 C18.1 C21.1 C36.1 C39.1 C42.2 C43.1 IC1.1 J10.1 L1.2 R34.1 U2.1 W1.1 | length 80.4
  Top Layer w0.5: C18.1@134.23,106.2 134.18,106.15 134.18,102.95 C17.1@134.13,102.9 139.75,102.9 139.85,102.8 ; U2.1@139.85,111.02 140.543,111.02 140.768,110.795 140.768,110.102 141.32,109.55 C21.1@144.225,109.55 ; 141.02,107.05 C36.1@143.925,107.05
  Top Layer w0.7: R34.1@149.8,83 149.813,83.013 149.813,85.188 C15.1@149.825,85.2
  Top Layer w1: C15.1@149.825,85.2 149.825,96.402 150.1,96.677
  Top Layer w2: C42.2@153.2,81.075 153.235,81.04 J10.1@160.2,81.04 160.2,86.7
  Top Layer w3: 139.85,96.677 139.85,102.8 U2.1@139.85,111.02
  Top Layer w5: 139.85,96.677 150.1,96.677 152.623,96.677 157.3,92 W1.1@157.3,89.2
+12A: C9.2 C40.1 IC3.1 W1.2 W1.3
+12B: C11.2 C41.1 C44.2 C45.1 IC4.1 J11.1 W1.4 | length 38.9
  Top Layer w0.7: J11.1@156.14,227.6 156.14,226.26 158.5,223.9 160.925,223.9 161.013,223.987 161.013,226.613 C44.2@160.925,226.7
  Bottom Layer w0.7: J11.1@156.14,227.6 156.14,200.76 157.3,199.6 W1.4@157.3,199.2
A: C27.2 IC9.5 R29.2 R32.2 R47.2 | length 56.1
  Top Layer w0.3: R32.2@117.7,138.1 v1(120.6,138.1) ; R47.2@118.2,129.85 115.25,129.85 110.2,124.8 107.9,124.8 106.6,126.1 106.6,130.9 110.9,135.2 119.8,135.2 120.6,136 v1(120.6,138.1) ; IC9.5@124.475,138.13 124.46,138.115 120.615,138.115 v1(120.6,138.1)
  Bottom Layer w0.3: R29.2@120.6,134.1 v1(120.6,138.1) C27.2@128.7,138.1
A_MCU: IC2.12 IC9.6 | length 18.8
  Top Layer w0.3: IC9.6@124.475,136.86 126.36,136.86 127.7,138.2 127.7,145.1 128.25,145.65 IC2.12@135.562,145.65
B: C26.2 IC9.3 R28.2 R31.2 | length 23.6
  Top Layer w0.3: R31.2@117.7,140.7 v1(120.6,140.7) 120.615,140.685 124.46,140.685 IC9.3@124.475,140.67
  Bottom Layer w0.3: R28.2@117.8,134.1 117.8,139.5 119,140.7 v1(120.6,140.7) C26.2@128.7,140.7
B_MCU: IC2.11 IC9.4 | length 16.9
  Top Layer w0.3: IC9.4@124.475,139.4 126.2,139.4 126.9,140.1 126.9,145.2 127.85,146.15 129.6,146.15 IC2.11@135.562,146.15
C: C25.2 IC9.1 R27.2 R30.2 | length 28.5
  Top Layer w0.3: R30.2@117.7,143.2 v1(120.5,143.2) 120.505,143.205 124.47,143.205 IC9.1@124.475,143.21
  Bottom Layer w0.3: R27.2@114.9,134.1 114.9,141.2 116.9,143.2 v1(120.5,143.2) C25.2@128.7,143.2
C_MCU: IC2.10 IC9.2 | length 14.8
  Top Layer w0.3: IC9.2@124.475,141.94 125.74,141.94 126.2,142.4 126.2,145.4 127.45,146.65 IC2.10@135.562,146.65
"CAN RX": IC2.32 IC7.4 | length 95
  Top Layer w0.3: IC7.4@123.3,225.505 130.195,225.505 149.7,206 149.7,152.507 146.343,149.15 IC2.32@144.038,149.15
"CAN TX": IC2.33 IC7.1 | length 91.8
  Top Layer w0.3: IC7.1@123.304,221.691 IC7.1@123.3,221.695 132.905,221.695 149.2,205.4 149.2,152.714 146.136,149.65 IC2.33@144.038,149.65
CCW: IC2.13 J4.2 R33.2 | length 45.2
  Top Layer w0.3: J4.2@108.818,161.86 108.818,159.482 109.4,158.9 R33.2@113.9,158.9 ; v1(133.5,144.3) 137.05,144.3 IC2.13@137.05,144.162
  Bottom Layer w0.3: J4.2@108.818,161.86 108.818,158.682 110.8,156.7 121.1,156.7 v1(133.5,144.3)
HG1: Q4.1 R8.2 R9.2 Z1.2 | length 14.6
  Top Layer w1: R8.2@204.6,86.2 R9.2@204.6,88.7 212.325,88.7 Z1.2@212.564,88.461 ; Q4.1@212.528,92.161 212.564,92.125 Z1.2@212.564,88.461 ; Z1.2@212.6,88.15 212.564,88.186 Z1.2@212.564,88.461
HG1B: Q8.1 R50.2 R51.2 Z7.2 | length 13.8
  Top Layer w1: R50.2@222,86.3 R51.2@222,88.5 222.025,88.475 229.875,88.475 Z7.2@229.9,88.45 229.914,88.464 229.914,92.147 Q8.1@229.928,92.161
HG1C: Q20.1 R68.2 R69.2 Z13.2 | length 14.1
  Top Layer w0.7: R68.2@187.1,86.5 R69.2@187.1,88.7 195.15,88.7 Z13.2@195.3,88.55 195.3,92.089 Q20.1@195.228,92.161
HG2: Q5.1 R14.2 R15.2 Z3.2 | length 13.8
  Top Layer w1: R14.2@204.6,139.8 R15.2@204.6,142 204.675,141.925 212.425,141.925 Z3.2@212.5,141.85 212.514,141.864 212.514,145.447 Q5.1@212.528,145.461
HG2B: Q2.1 R56.2 R57.2 Z9.2 | length 13.8
  Top Layer w1: R56.2@222,139.7 R57.2@222,141.75 ; R57.2@222,142 R57.2@222,141.75 ; Q2.1@229.928,145.461 229.5,145.033 Z9.2@229.5,141.65 222.1,141.65 R57.2@222,141.75
HG2C: Q9.1 R74.2 R75.2 Z15.2 | length 13.8
  Top Layer w1: R74.2@187.1,139.8 R75.2@187.1,142 187.125,141.975 195.174,141.975 Z15.2@195.199,141.95 195.214,141.964 195.214,145.447 Q9.1@195.228,145.461
HG3: Q6.1 R20.2 R21.2 Z5.2 | length 13.7
  Top Layer w1: R20.2@204.6,195 R21.2@204.6,197.2 204.625,197.175 212.475,197.175 Z5.2@212.5,197.15 212.514,197.164 212.514,200.747 Q6.1@212.528,200.761
HG3B: Q3.1 R62.2 R63.2 Z11.2 | length 14.3
  Top Layer w1: R62.2@221.9,195 R63.2@221.9,197.3 229.625,197.3 229.9,197.025 Z11.2@229.9,196.95 229.914,196.964 229.914,200.747 Q3.1@229.928,200.761
HG3C: Q10.1 R80.2 R81.2 Z17.2 | length 14.3
  Top Layer w0.6: R80.2@187.2,195.1 R81.2@187.2,197.3 194.949,197.3 Z17.2@195.299,196.95 195.299,200.689 Q10.1@195.228,200.761
HI1: IC1.5 IC2.29 R1.1 | length 74.7
  Top Layer w0.3: IC2.29@144.038,147.65 149.15,147.65 v1(150,148.5)
  Top Layer w0.7: R1.1@163.4,102.6 v2(165.6,102.6) ; IC1.5@171.755,97.4 171.777,97.423 171.777,102.378 v2(171.8,102.4)
  Bottom Layer w0.7: v1(150,148.5) 153.9,144.6 153.9,110 161.3,102.6 v2(165.6,102.6) 171.519,102.6 171.719,102.4 v2(171.8,102.4)